# Altium PCB AirPi_Sensor_1.1.PcbDoc (continued)
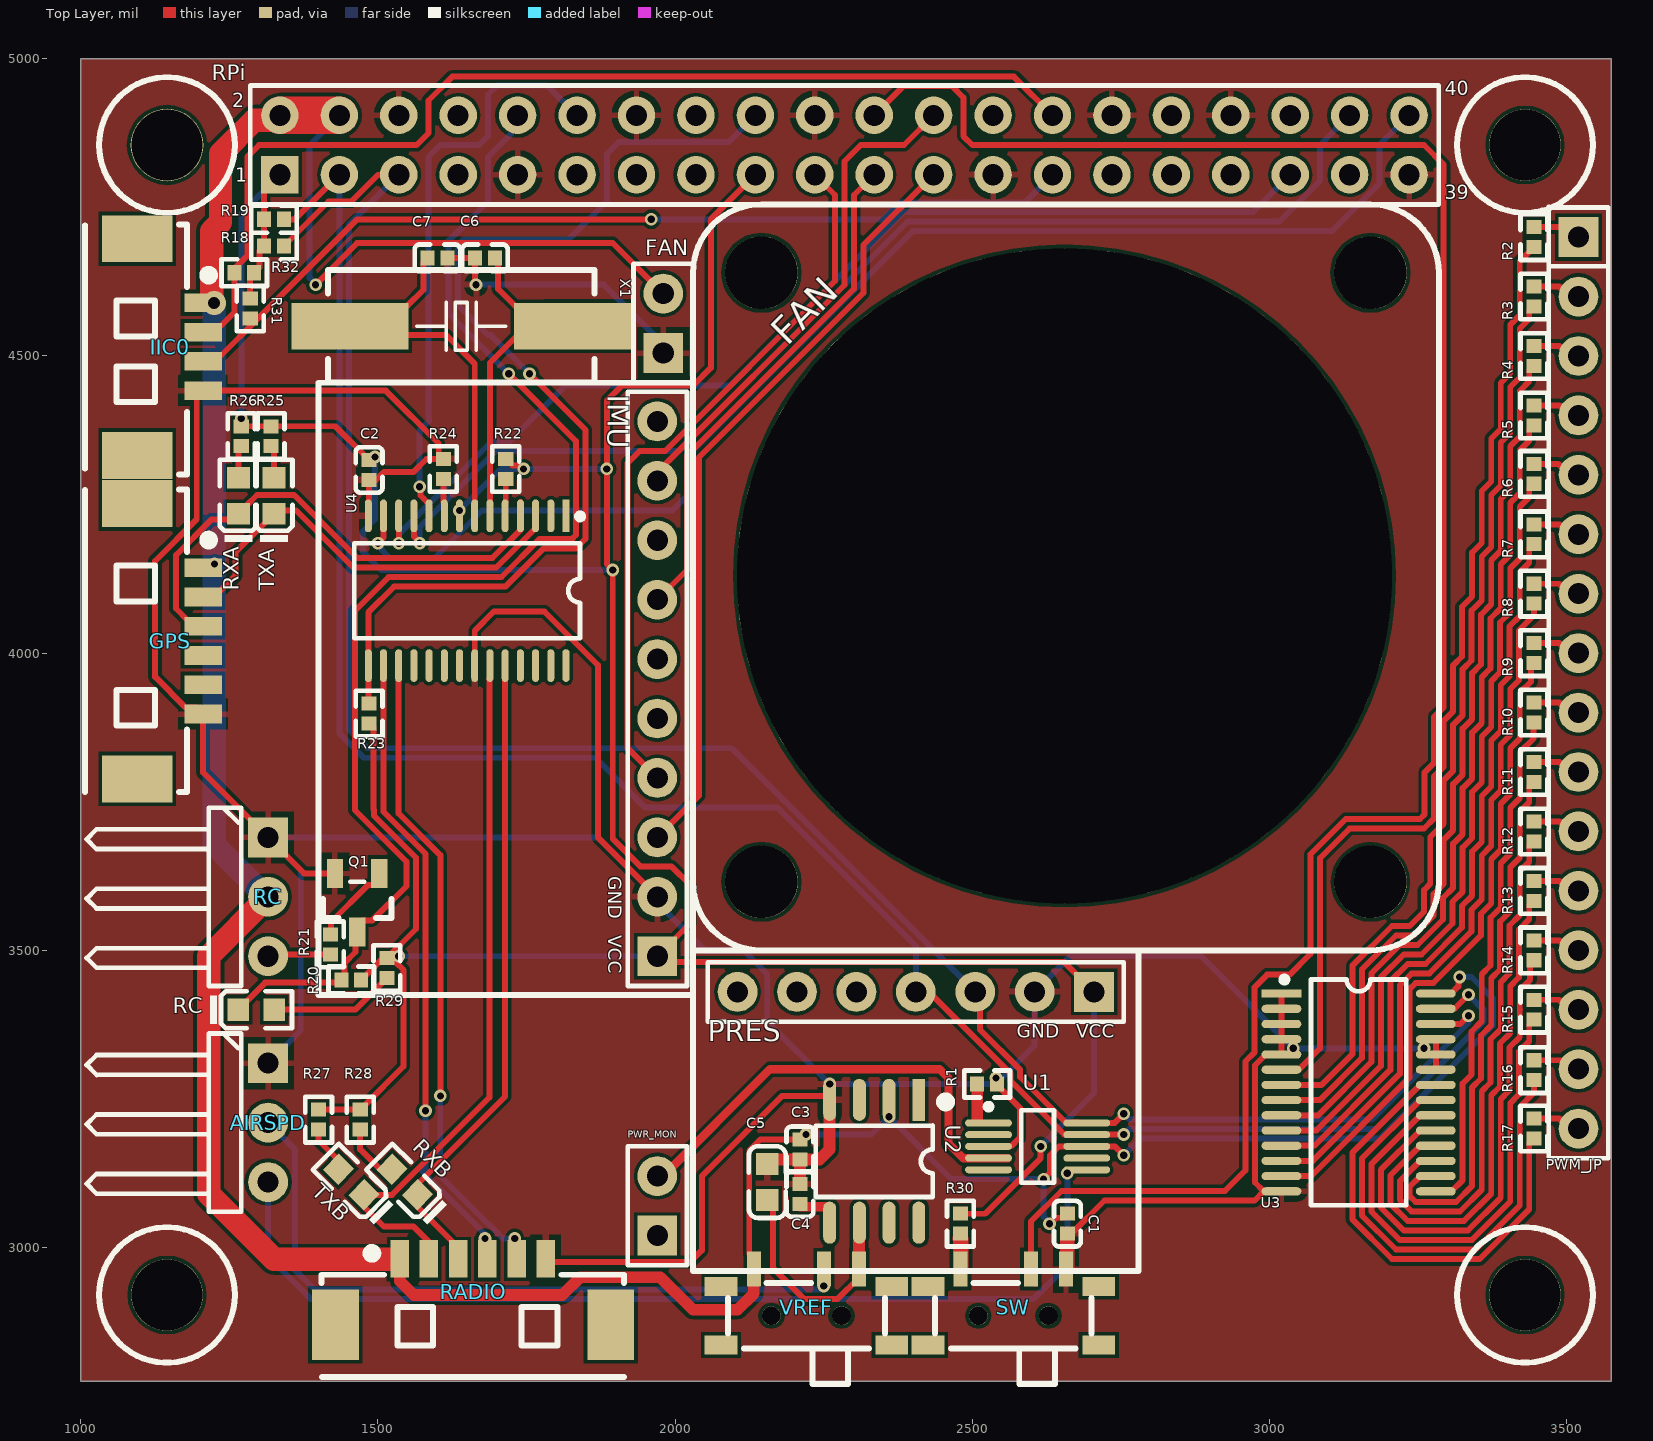
[diagram p0: Top Layer view]
## Part data (continued)
TXA TXB: library part "0603 蓝灯", "发光二极管", Package=0603, SuppliersPartNumber=C72041, ComponentLink1Description=供?, ComponentLink1URL=http://www.szlcsc.com/product/details_73150.html, Supplier=LC
U1: "16-Bit ADC with Integrated Multiplexer, PGA, Comparator, Oscillator, and Reference, -40 to 125 degC, 10-pin SOP (DGS10), Green (RoHS & no Sb/Br)", Analog Voltage AV/DD(Max)(V)=5.5, Analog Voltage AV/DD(Min)(V)=2, Manufacturer="Texas Instruments", Supplier Part Number 1=296-13060-2-ND, # Input Channels=4, Architecture=Delta-Sigma, Code_JEDEC=MO-153, ComponentLink1Description="Manufacturer URL", ComponentLink1URL=http://www.ti.com/, ComponentLink2Description=Datasheet, ComponentLink2URL=http://www.ti.com/general/docs/lit/getliterature.tsp?genericPartNumber=ADS1115&fileType=pdf, ComponentLink3Description="Package Specification", ComponentLink3URL=http://www.ti.com/lit/ml/mpds035b/mpds035b.pdf, DatasheetVersion=SBAS444B, Digital Supply(Max)(V)=5.5, Digital Supply(Min)(V)=2, Eco-Plan="Green (RoHS & no Sb/Br)", INL(Max)(+/-LSB)=1, Interface="Serial I2C", Mounting Technology="Surface Mount", PackageDescription="10-Pin Plastic Small Outline, Body 3 x 3 mm, Pitch 0.5 mm", PackageReference=DGS10, PackageVersion="4073272/C, 02/2004", PartNumber=ADS1115IDGSR, Resolution(Bits)=16, Sample Rate (max)(SPS)=860, SubFamily="Precision ADC (<=10MSPS)", Supplier 1=Digi-Key, Supplier 2=Digi-Key, Supplier 3=Digi-Key, Supplier 4=Newark, Supplier 5=Mouser, Supplier Part Number 2=296-13060-1-ND, Supplier Part Number 3=296-13060-6-ND, Supplier Part Number 4=74C7007, Supplier Part Number 5=595-ADS1253E/2K5
U2: "高精度电压基准"
U3: "16-channel, 12-bit PWM Fm+ I2C-bus LED controller"
X1: library part XTAL-2P, "2脚无源脚晶振"

## Free pads (board coordinates)
  round 1102.36 hole 1102.36: FAN0(2655,4130)
  round 122.05 hole 122.05: FAN1(2145,4640) FAN2(3170,4640) FAN3(3170,3615) FAN4(2145,3615)
  round 122.05 hole 120.08: FH0(1145,4855)
  round 120.08 hole 120.08: FH1(3430,4855) FH2(3430,2920) FH3(1145,2920)

## Via types
v1: diameter 21.26, hole 12.2, Top Layer to Bottom Layer, 38 vias
v2: diameter 40, hole 20, Top Layer to Bottom Layer, 1 vias

## Nets (pads, with @x,y where several pads share a name; then routed paths per layer and width w, separated by ;. In a path a pad name is that pad's centre, name@x,y a point inside that pad or via, vN(x,y) a via of type N, cw(c..) or ccw(c..) an arc to the next point about the centre after c; other vN are vias at no path point)
3V3: C2.1 IMU.1 PRES.1 R18.1 R19.1 R20.2 R22.1 R23.1 R25.1 R26.1 R27.1 R28.1 R29.1 R30.2 R31.2 R32.1 RPi.1 RPi.17 U4.8 | length 5988.4
  Top Layer w10: R26.1@1268.27,4380 R26.1 R25.1 1428.27,4381.73 1477.2,4332.8 1477.2,4331.81 1484.02,4325 C2.1 ; R31.2 1285,4633.27 R32.1 1300.47,4648.74 1300.47,4677.2 1301.46,4677.2 1308.27,4684.02 R18.1 R19.1 1308.27,4778.27 RPi.1 ; R27.1 R28.1 1470.98,3231.73 1477.8,3238.54 1477.8,3239.53 1543,3304.73 1543,3467 1530.08,3479.92 1521.81,3479.92 R29.1 ; R20.2 1471.73,3450.98 1478.54,3457.8 1479.37,3457.8 1508.3,3486.73 R29.1 ; R23.1 1485.98,3881.54 1492.8,3874.72 1492.8,3737.2 1493.25,3736.75 1493.25,3726.49 1564,3655.75 1564,3535.73 R29.1 ; R22.1 1715.98,4326.73 1726.64,4316.08 1735.87,4316.08 1741.95,4310 v1(1745,4310) ; RPi.17 2060,4730 2060,4480 2030,4450 1910,4450 1885,4425 v1(1885,4310) 1885,4150 v1(1895,4140) 1895,3687.63 1941.31,3641.31 1993.69,3641.31 2025,3610 2025,3545 IMU.1 1980,3480 2655,3480 PRES.1 ; R30.2 2521.73,3056.73 2615,3150 v1(2615,3170)
  Bottom Layer w10: v1(1270,4395) 1270,4740 RPi.1 ; v1(1495,4330) 1495,4225 1475,4205 1475,4170 1505,4140 v1(1895,4140) ; v1(1535,3490) IMU.1 ; v1(1637.01,4240) 1707.01,4310 v1(1745,4310) v1(1885,4310) ; v1(2615,3170) 2705,3260 PRES.1
5V: C1.1 C3.2 FAN.2 GPS.1 IIC0.1 RADIO.1 RC.2 RPi.2 RPi.4 U1.8 U2.2 U3.28 VREF.1 | length 6063.5
  Top Layer w10: IIC0.1 v2(1224.36,4589.36) ; RPi.2@1329.93,4899.93 RPi.2 ; v1(1395,4620) 1465,4690 1895,4690 FAN.2 ; VREF.1 2132.36,2981.3 2124.71,2988.95 2124.71,3163.18 2143.26,3181.73 C3.2 ; v1(2620,3115) 2631,3126 2631,3155.14 2645.86,3170 U1.8 2740,3170 v1(2755,3155) ; v1(2630,3040) 2631.57,3040 2641.49,3049.92 2653.19,3049.92 C1.1 ; U3.28 3305.55,3427.09 3317.85,3439.38 3317.85,3452.85 v1(3320,3455)
  Top Layer w19.68: RPi.2@1326.71,4896.71 RPi.2@1329.93,4899.93 ; RADIO.1 1536.43,2943.57 1560,2920 1810,2920 1840,2950 1975,2950 2030,2895 2105,2895 2132.36,2922.36 VREF.1
  Top Layer w39.37: IIC0.1@1220,4595 1220,4710 1235,4725 1235,4840 1291.71,4896.71 RPi.2@1326.71,4896.71 ; RC.2 1215,3490 1215,3090 1325,2980 RADIO.1@1530,2980
  Top Layer w62.99: RPi.2 RPi.4
  Bottom Layer w10: v1(1395,4620) 1395,4621.49 1385,4631.49 1385,4855 RPi.4 ; v1(2220,3190) 2330,3190 v1(2360,3220) 2465,3115 v1(2620,3115) 2620,3051.49 2630,3041.49 v1(2630,3040) ; v1(2755,3155) 2783,3183 3185.63,3183 3376,3373.37 3376,3419 3340,3455 v1(3320,3455)
  Bottom Layer w39.37: v2(1224.36,4589.36) 1224.36,3677.38 1311.75,3590 RC.2
  other v1: 1225,4150
CSN: RPi.12 U4.10 | length 979.8
  Top Layer w10: v1(1570,4280) 1571.61,4278.39 1571.61,4265.36 1577.34,4259.64 1577.34,4259.4 1583.76,4252.98 1585.19,4252.98 1586.02,4252.14 U4.10
  Bottom Layer w10: v1(1570,4280) 1570,4375 1585.86,4390.86 1585.86,4399.14 1585,4400 1585,4835 1605,4855 1670,4855 1685,4870 1685,4940 1700,4955 1785,4955 RPi.12
CTSB: RADIO.4 U4.16 | length 1038.9
  Top Layer w10: U4.16 1509.25,3733.12 1580,3662.37 v1(1580,3230)
  Bottom Layer w10: v1(1580,3230) 1580,3132.37 1575,3127.37 1680,3022.37 v1(1680,3015)
GND: AIRSPD.1 C1.2 C2.2 C3.1 C4.2 C5.1 C6.1 C7.1 FAN.1 GPS.6 IIC0.4 IMU.2 PRES.2 Q1.2 R1.2 R24.1 RADIO.6 RC.1 RPi.6 RPi.9 RPi.14 RPi.20 RPi.25 RPi.30 RPi.34 RPi.39 SW.3 U1.3 U2.4 U3.1 U3.2 U3.3 U3.4 U3.5 U3.14 U3.23 U3.24 U3.25 U4.14 U4.22 | length 7694.1
  Top Layer w10: Q1.2 1375.79,3629.21 RC.1 1205.65,3799.35 GPS.6 1194.91,3908.26 1176.74,3908.26 1125,3960 1125,4155 1195,4225 1195,4431.07 IIC0.4 1513.28,4441.72 1602.2,4352.8 1602.2,4333.54 R24.1@1609.02,4326.73 ; U4.14 1483.66,4253.12 1485,4254.46 C2.2 1496.54,4291.54 1510,4305 1560,4305 1581.73,4326.73 R24.1@1609.02,4326.73 ; R24.1 R24.1@1609.02,4326.73 ; C7.1 C6.1 1663.27,4621.73 v1(1665,4620) ; U4.22 1662.8,4037.8 1695,4070 1780,4070 1870,3980 1870,3690 IMU.2 ; RADIO.6 1787.61,2975.54 2025.54,2975.54 2045,2995 2045,3120 2180,3255 2254.62,3255 2260,3249.62 U2.4 ; C5.1 C5.1@2162.95,3148.27 ; U1.3 2527.67,3170.35 2565.36,3170.35 2580,3184.99 2580,3235 2548.54,3266.46 2548.54,3268.19 R1.2 ; SW.3 SW.3@2660,2965.95 ; C1.2 2666.7,3023.27 2722.43,3079 2975,3079 2990.41,3094.41 U3.14 3019.43,3095.13 2989.87,3095.13 2975.69,3109.31 2975.69,3306.54 2993.87,3324.72 U3.5 U3.4 U3.3 U3.2 U3.1 ; U3.23 U3.24 U3.25
  Top Layer w20: C5.1@2162.95,3148.27 C3.1 ; C4.2 C3.1 ; U2.4 2260,3165 2243.27,3148.27 C3.1 ; U2.4@2260,3249.62 v1(2260,3275)
  Top Layer w24: SW.3@2660,2965.95 C1.2
  Bottom Layer w10: AIRSPD.1 1370,3365 1370,3635 RC.1 1870,3690 IMU.2 1970,3580 2050,3500 2115,3500 2155,3460 2155,3380 v1(2260,3275) 2530,3275 v1(2540,3285) 2550,3285 2605,3340 PRES.2 2665,3490 2885,3490 v1(3040,3335) v1(3260,3335) ; v1(1665,4620) 1880,4620 1965,4535 1965,4520 FAN.1
GPCLK0_BCM4: RPi.7
GPCLK1_BCM5: RPi.29
GPCLK2_BCM6: RPi.31
I_airspeed: AIRSPD.3 U1.6 | length 1678.1
  Bottom Layer w10: AIRSPD.3 1315,2985 1386.63,2913.37 2603.37,2913.37 2660,2970 v1(2660,3125)
I_batt: PWR_MON.2 U1.4 | length 791.1
  Top Layer w14: PWR_MON.2 1980,3120 2160,3300 2445,3300 2460,3285 2460,3175 2485,3150 U1.4@2560,3150
IIC0SCL_BCM1: IIC0.2 R32.2 RPi.28 | length 1807.1
  Top Layer w10: IIC0.2 1216.4,4550.9 1235.9,4550.9 1258.27,4573.27 R32.2 1258.27,4646.7 1280,4668.43 1280,4835 1300,4855 1565,4855 1585,4875 1585,4930 1625,4970 2570,4970 RPi.28
IIC0SDA_BCM0: IIC0.3 R31.1 RPi.27 | length 1555.9
  Top Layer w10: IIC0.3 1216.4,4501.69 1236.68,4501.69 R31.1@1295.77,4560.77 ; 1298.27,4563.27 1465,4730 v1(1960,4730)
  Bottom Layer w10: v1(1960,4730) 2349.75,4730 2377.75,4758 2588,4758 RPi.27
IIC1SCL_BCM3: PRES.3 R18.2 RPi.5 U1.10 U3.26 | length 3549.3
  Top Layer w10: R18.2 1416.73,4760 1455,4760 1500,4805 RPi.5 ; PRES.3@2512.79,3422.21 2512.79,3366.73 2580.54,3298.98 2580.54,3286.76 2657.1,3210.21 2677.63,3210.21 2678.47,3209.37 U1.10 2693.02,3209.72 2739.72,3209.72 v1(2755,3225) ; U3.26 3320.91,3375.91 v1(3335,3390)
  Bottom Layer w10: RPi.5 1451,4721 1451,3871.63 1482.63,3840 2095,3840 PRES.3 ; v1(2755,3225) 2765,3215 3172.37,3215 3335,3377.63 v1(3335,3390)
IIC1SDA_BCM2: PRES.4 R19.2 RPi.3 U1.9 U3.27 | length 3498.6
  Top Layer w10: R19.2 1360,4730 RPi.3 ; PRES.4@2426.9,3430 2564.54,3292.35 2564.54,3280.13 2654.64,3190.03 2692.33,3190.03 U1.9 2692.99,3190 v1(2755,3190) ; U3.27 3280.72,3402.22 3312.22,3402.22 v1(3335,3425)
  Bottom Layer w10: RPi.3 1435,3865 1476,3824 1866,3824 1950,3740 2172.37,3740 2405,3507.37 PRES.4 ; v1(2755,3190) 2764,3199 3179,3199 3360,3380 3360,3400 v1(3335,3425)
IRQ: R23.2 RPi.18 U4.15 | length 1794.8
  Top Layer w10: R23.2 1483.66,3916.34 U4.15 1483.66,4068.66 1527,4112 1714.37,4112 1778.79,4176.42 1833.43,4176.42 1849.24,4192.24 1849.24,4375.76 v1(1755,4470)
  Bottom Layer w10: v1(1755,4470) 1690,4535 1685,4535 1635,4585 1635,4687.37 1643.81,4696.19 1821.19,4696.19 1885,4760 1885,4840 1905,4860 2090,4860 RPi.18
MISO: RPi.35 U4.12 | length 1811.6
  Top Layer w10: U4.12 1535,4230.82 v1(1535,4185)
  Bottom Layer w10: v1(1535,4185) 1535,4200 1691,4356 1721,4356 1815,4450 2092.37,4450 2384.37,4742 2972,4742 RPi.35
MOSI: RPi.38 U4.11 | length 1964.4
  Top Layer w10: U4.11 1560.43,4196.49 1570,4186.92 v1(1570,4185)
  Bottom Layer w10: v1(1570,4185) 1570,4212.37 1697.63,4340 2005,4340 2391,4726 3016.1,4726 3085,4794.9 3085,4855 RPi.38
NetC4_1: C4.1 U2.5 | length 50
  Top Layer w16: C4.1@2210,3068.27 U2.5@2260,3068.27
NetC5_2: C5.2 U2.6 VREF.3 | length 392.1
  Top Layer w10: C5.2 2165,3069.69 2165,2965 2216.63,2913.37 2273.46,2913.37 2309.53,2949.44 VREF.3 ; U2.6@2309.53,3041.18 U2.6
  Top Layer w20: VREF.3 U2.6@2309.53,3041.18
NetC6_2: C6.2 U4.6 X1.1 | length 635.1
  Top Layer w10: U4.6 1688.39,4488.39 1735.63,4535.63 1778.5,4535.63 X1.1@1802.87,4560 ; C6.2 1702,4659.73 1702,4613 1730.63,4584.37 1778.5,4584.37 X1.1@1802.87,4560 ; X1.1 1812.87,4550 X1.1@1802.87,4560 ; X1.1@1827.01,4570 1812.87,4570 X1.1@1802.87,4560
NetC7_2: C7.2 U4.7 X1.2 | length 705.6
  Top Layer w10: X1.2 1482.41,4550 X1.2@1484.77,4552.36 ; X1.2@1452.99,4570 1467.14,4570 1470.07,4567.07 X1.2@1484.77,4552.36 ; C7.2 1583.27,4664.02 1576.46,4657.2 1576.46,4611.46 1549.37,4584.37 1516.78,4584.37 X1.2@1484.77,4552.36 ; U4.7 1662.8,4487.2 1614.37,4535.63 1501.51,4535.63 X1.2@1484.77,4552.36
NetD1_A: R25.2 TXA.A | length 62.1
  Top Layer w10: R25.2 1325,4343.27 TXA.A TXA.A@1330,4300.32
NetD2_A: R26.2 RXA.A | length 55
  Top Layer w10: RXA.A 1265,4343.27 R26.2
NetD3_A: R27.2 TXB.A | length 80.7
  Top Layer w10: R27.2 1400,3180 1433.56,3146.44 TXB.A
NetD4_A: R28.2 RXB.A | length 100.7
  Top Layer w10: R28.2 1470,3165 1503.56,3131.44 RXB.A
NetD5_A: R29.2 RC.A | length 212.4
  Top Layer w10: RC.A 1461.89,3400 1507.2,3445.31 1507.2,3446.46 1514.02,3453.27 R29.2
NetJP_AIRSPD_2: AIRSPD.2 VREF.2 | length 1199.8
  Top Layer w10: AIRSPD.2@1310,3205 AIRSPD.2@1320,3205 ; VREF.2@2250.47,2945.87 VREF.2
  Bottom Layer w10: AIRSPD.2 1360,3165 1360,2962.63 1393.26,2929.37 2244.37,2929.37 v1(2250,2935)
NetJP_PWR_MON_1: PWR_MON.1
NetJP_RC_3: R21.1 RC.3 | length 106.4
  Top Layer w10: RC.3 1318.27,3493.27 R21.1
NetQ1_1: Q1.1 R21.2 | length 143
  Top Layer w10: R21.2 1420.87,3527.61 1420.87,3547.69 1482.8,3609.61 1493.62,3609.61 1502.4,3618.39 Q1.1
NetR1_1: R1.1 U1.1 | length 60
  Top Layer w20: U1.1@2508.27,3215 R1.1
NetR2_2: R2.2 U3.6 | length 1620.7
  Top Layer w10: U3.6@3050,3300 3085,3335 3085,3655 3135,3705 3260,3705 3277.2,3722.2 3277.2,3792.75 3293.2,3808.75 3293.2,3886.12 3309.2,3902.12 3309.2,3979.49 3324,3994.29 3324,4078.1 3341.2,4095.31 3341.2,4169.34 3357.2,4185.34 3357.2,4272.71 3373.2,4288.71 3373.2,4361.09 3389.2,4377.09 3389.2,4454.46 3405.2,4470.46 3405.2,4552.83 3421.2,4568.83 3421.2,4659.47 3437.2,4675.47 3437.2,4676.46 3444.02,4683.27 R2.2
NetR3_2: R3.2 U3.7 | length 1543.3
  Top Layer w10: U3.7 3087.78,3273.54 3139.54,3325.3 3139.54,3474.26 3206.25,3540.98 3235.98,3540.98 3260,3565 3260,3601.27 3270.58,3611.85 3270.58,3690.58 3293.2,3713.2 3293.2,3786.12 3309.2,3802.12 3309.2,3879.49 3325.2,3895.49 3325.2,3972.86 3340,3987.66 3340,4071.48 3357.2,4088.68 3357.2,4162.71 3373.2,4178.71 3373.2,4266.09 3389.2,4282.09 3389.2,4354.46 3405.2,4370.46 3405.2,4447.83 3421.2,4463.83 3421.2,4546.2 3437.2,4562.2 3437.2,4576.46 3444.02,4583.27 R3.2
NetR4_2: R4.2 U3.8 | length 1467.2
  Top Layer w10: U3.8 3084.82,3247.95 3155.54,3318.67 3155.54,3467.63 3212.88,3524.98 3242.6,3524.98 3276,3558.37 3276,3594.65 3293.2,3611.85 3293.2,3686.12 3309.2,3702.12 3309.2,3779.49 3325.2,3795.49 3325.2,3872.86 3341.2,3888.86 3341.2,3966.24 3356,3981.03 3356,4064.85 3373.2,4082.05 3373.2,4156.09 3389.2,4172.09 3389.2,4259.46 3405.2,4275.46 3405.2,4347.83 3421.2,4363.83 3421.2,4441.2 3437.2,4457.2 3437.2,4476.46 3444.02,4483.27 R4.2
NetR5_2: R5.2 U3.9 | length 1391
  Top Layer w10: U3.9 3081.85,3222.36 3171.54,3312.05 3171.54,3461.01 3219.51,3508.98 3249.23,3508.98 3292,3551.75 3292,3588.02 3309.2,3605.22 3309.2,3679.49 3325.2,3695.49 3325.2,3772.86 3341.2,3788.86 3341.2,3866.24 3357.2,3882.24 3357.2,3959.61 3372,3974.4 3372,4058.22 3389.2,4075.43 3389.2,4149.46 3405.2,4165.46 3405.2,4252.83 3421.2,4268.83 3421.2,4341.2 3437.2,4357.2 3437.2,4376.46 3444.02,4383.27 R5.2
NetR6_2: R6.2 U3.10 | length 1316.6
  Top Layer w10: U3.10 3078.89,3196.77 3187.54,3305.42 3187.54,3454.38 3226.13,3492.98 3255.86,3492.98 3308,3545.12 3308,3581.39 3325.2,3598.6 3325.2,3672.86 3341.2,3688.86 3341.2,3766.24 3357.2,3782.24 3357.2,3859.61 3373.2,3875.61 3373.2,3952.98 3388,3967.78 3388,4051.59 3405.2,4068.8 3405.2,4142.83 3421.2,4158.83 3421.2,4246.2 3437.2,4262.2 3437.2,4278.19 3444.02,4285 R6.2
NetR7_2: R7.2 U3.11 | length 1238.7
  Top Layer w10: U3.11 3075.93,3171.18 3203.54,3298.79 3203.54,3447.75 3232.76,3476.98 3262.49,3476.98 3324,3538.49 3324,3574.76 3341.2,3591.97 3341.2,3666.24 3357.2,3682.24 3357.2,3759.61 3373.2,3775.61 3373.2,3852.98 3389.2,3868.98 3389.2,3946.35 3404,3961.15 3404,4044.97 3421.2,4062.17 3421.2,4136.2 3437.2,4152.2 3437.2,4176.46 3444.02,4183.27 R7.2
NetR8_2: R8.2 U3.12 | length 1162
  Top Layer w10: U3.12 3072.96,3145.59 3219.54,3292.16 3219.54,3441.12 3239.39,3460.98 3269.11,3460.98 3340,3531.86 3340,3568.14 3357.2,3585.34 3357.2,3659.61 3373.2,3675.61 3373.2,3752.98 3389.2,3768.98 3389.2,3846.35 3405.2,3862.35 3405.2,3939.73 3420,3954.52 3420,4038.34 3445,4063.34 R8.2
NetR9_2: R9.2 U3.13 | length 1080.5
  Top Layer w10: U3.13 3070,3120 3235.54,3285.54 3235.54,3434.5 3246.02,3444.98 3275.74,3444.98 3356,3525.24 3356,3561.51 3373.2,3578.71 3373.2,3652.98 3389.2,3668.98 3389.2,3746.35 3405.2,3762.35 3405.2,3839.73 3421.2,3855.73 3421.2,3933.1 3440,3951.89 R9.2@3440,3980
NetR10_2: R10.2 U3.15 | length 872.6
  Top Layer w10: U3.15 3306.28,3094.41 3325.2,3113.33 3325.2,3275.97 3340,3290.76 3340,3363.3 3357.2,3380.5 3357.2,3459.61 3372,3474.4 3372,3554.88 3389.2,3572.09 3389.2,3646.35 3405.2,3662.35 3405.2,3739.73 3421.2,3755.73 3421.2,3833.1 3444.56,3856.46 3444.56,3882.83 R10.2
NetR11_2: R11.2 U3.16 | length 910.9
  Top Layer w10: U3.16 3253.72,3120 3235.54,3101.82 3235.54,3087 3246.02,3076.52 3278.48,3076.52 3313.98,3076.52 3341.2,3103.74 3341.2,3269.34 3356,3284.14 3356,3356.67 3373.2,3373.88 3373.2,3452.98 3388,3467.78 3388,3548.25 3405.2,3565.46 3405.2,3639.73 3421.2,3655.73 3421.2,3699.64 3421.57,3700 3421.2,3700.36 3421.2,3733.1 3437.2,3749.1 3437.2,3775.47 R11.2
NetR12_2: R12.2 U3.17 | length 889.8
  Top Layer w10: U3.17 3253.72,3145.59 3219.54,3111.41 3219.54,3080.37 3239.39,3060.52 3320.61,3060.52 3357.2,3097.11 3357.2,3262.71 3372,3277.51 3372,3350.04 3389.2,3367.25 3389.2,3446.35 3404,3461.15 3404,3541.63 3421.2,3558.83 3421.2,3633.1 3437.2,3649.1 3437.2,3676.46 3444.02,3683.27 R12.2
NetR13_2: R13.2 U3.18 | length 868.4
  Top Layer w10: U3.18 3253.72,3171.18 3203.54,3121 3203.54,3073.74 3232.76,3044.52 3327.24,3044.52 3373.2,3090.48 3373.2,3256.09 3388,3270.88 3388,3343.42 3405.2,3360.62 3405.2,3439.73 3420,3454.52 3420,3535 3437.2,3552.2 3437.2,3576.46 3444.02,3583.27 R13.2
NetR14_2: R14.2 U3.19 | length 846.8
  Top Layer w10: U3.19 3253.72,3196.77 3187.54,3130.59 3187.54,3067.12 3226.13,3028.52 3333.87,3028.52 3389.2,3083.86 3389.2,3249.46 3404,3264.25 3404,3336.79 3421.02,3353.81 3421.18,3353.81 ; 3421.2,3353.83 3421.2,3399.63 3421.57,3400 3421.2,3400.36 3421.2,3433.1 3438.72,3450.62 3438.72,3476.99 R14.2
NetR15_2: R15.2 U3.20 | length 825.7
  Top Layer w10: U3.20 3253.72,3222.36 3171.54,3140.18 3171.54,3060.49 3219.51,3012.52 3340.49,3012.52 3405.2,3077.23 3405.2,3242.83 3420,3257.63 3420,3330.16 3427.65,3337.81 3427.81,3337.81 3437.2,3347.2 3437.2,3375.47 3441.46,3379.72 3441.46,3380.71 3444.02,3383.27 R15.2
NetR16_2: R16.2 U3.21 | length 802.2
  Top Layer w10: U3.21 3253.72,3247.95 3155.54,3149.77 3155.54,3053.86 3212.88,2996.52 3347.12,2996.52 3421.2,3070.6 3421.2,3199.63 3421.57,3200 3421.2,3200.36 3421.2,3236.2 3445,3260 R16.2
NetR17_2: R17.2 U3.22 | length 782.3
  Top Layer w10: U3.22 3253.72,3273.54 3139.54,3159.36 3139.54,3047.23 3206.25,2980.52 3353.75,2980.52 3437.2,3063.98 3437.2,3175.47 R17.2
NetR22_2: R22.2 U4.5 | length 62.7
  Top Layer w10: U4.5 1713.98,4253.12 1715,4254.15 R22.2
NetR24_2: R24.2 U4.9 | length 63
  Top Layer w10: R24.2 1610,4254.74 1611.61,4253.12 U4.9
NetR30_1: R30.1 SW.1 | length 59.9
  Top Layer w10: R30.1@2480,3015 R30.1
  Top Layer w26: R30.1@2480,3015 2480.47,3014.53 SW.1
NetU1_5: U1.5
NetU1_7: U1.7
PWM0: PWM_JP.1 R2.1 | length 81.9
  Top Layer w10: R2.1 3503.27,4716.73 PWM_JP.1
PWM0_BCM12: RPi.32
PWM1: PWM_JP.2 R3.1 | length 81.9
  Top Layer w10: R3.1 3487.86,4616.73 3504.6,4600 PWM_JP.2
PWM1_BCM13: RPi.33
PWM2: PWM_JP.3 R4.1 | length 81.9
  Top Layer w10: R4.1 3487.86,4516.73 3504.6,4500 PWM_JP.3
PWM3: PWM_JP.4 R5.1 | length 81.9
  Top Layer w10: R5.1 3487.86,4416.73 3504.6,4400 PWM_JP.4
PWM4: PWM_JP.5 R6.1 | length 82.6
  Top Layer w10: R6.1 3486.13,4318.46 3504.6,4300 PWM_JP.5
PWM5: PWM_JP.6 R7.1 | length 81.9
  Top Layer w10: R7.1 3487.86,4216.73 3504.6,4200 PWM_JP.6
PWM6: PWM_JP.7 R8.1 | length 81.9
  Top Layer w10: R8.1 3487.86,4116.73 3504.6,4100 PWM_JP.7
PWM7: PWM_JP.8 R9.1 | length 81.9
  Top Layer w10: R9.1 3487.86,4016.73 3504.6,4000 PWM_JP.8
PWM8: PWM_JP.9 R10.1 | length 81.9
  Top Layer w10: R10.1 3487.86,3916.73 3504.6,3900 PWM_JP.9
PWM9: PWM_JP.10 R11.1 | length 81.9
  Top Layer w10: R11.1 3487.86,3816.73 3504.6,3800 PWM_JP.10
PWM10: PWM_JP.11 R12.1 | length 81.9
  Top Layer w10: R12.1 3487.86,3716.73 3504.6,3700 PWM_JP.11
PWM11: PWM_JP.12 R13.1 | length 81.9
  Top Layer w10: R13.1 3487.86,3616.73 3504.6,3600 PWM_JP.12
PWM12: PWM_JP.13 R14.1 | length 81.9
  Top Layer w10: R14.1 3487.86,3516.73 3504.6,3500 PWM_JP.13
PWM13: PWM_JP.14 R15.1 | length 81.9
  Top Layer w10: R15.1 3487.86,3416.73 3504.6,3400 PWM_JP.14
PWM14: PWM_JP.15 R16.1 | length 81.2
  Top Layer w10: R16.1 3489.6,3315 3504.6,3300 PWM_JP.15
PWM15: PWM_JP.16 R17.1 | length 81.9
  Top Layer w10: R17.1 3487.86,3216.73 3504.6,3200 PWM_JP.16
RTSB: RADIO.5 U4.17 | length 1057
  Top Layer w10: U4.17 1534.84,3730.16 1605,3660 v1(1605,3255)
  Bottom Layer w10: v1@1604.76,3255 1604.76,3120.24 1688.37,3036.63 1688.96,3036.63 1701.63,3023.96 1701.63,3023.37 1710,3015 v1(1730,3015)
RXA: GPS.3 RXA.K U4.4 | length 881.2
  Top Layer w10: GPS.3 1196.83,4053.98 1181.02,4053.98 1160,4075 1160,4165 1220,4225 1255.32,4225 RXA.K 1265.98,4234.69 1279.29,4247.99 1279.29,4248.98 1296.32,4266.01 1358.99,4266.01 1465,4160 1692.39,4160 1740,4207.61 1739.91,4207.7 1739.91,4230.63 U4.4 U4.4@1739.57,4254.57
RXB: RADIO.3 RXB.K U4.24 | length 1087.8
  Top Layer w10: RADIO.3 1628.71,2986.8 1628.71,3006.29 1566.44,3068.56 RXB.K 1566.44,3106.44 1713.98,3253.98 U4.24
RXD_BCM15: Q1.3 R20.1 RC.K RPi.10 | length 2173.2
  Top Layer w10: RC.K 1264.69,3400.98 1277.99,3414.29 1278.98,3414.29 1310.22,3445.54 R20.1@1438.27,3445.54 ; R20.1 1443.8,3455.53 1443.8,3478.8 1462.04,3497.04 1462.04,3527.83 Q1.3 1465,3541.61 1473.78,3550.39 1490.39,3550.39 1548,3608 1548,3649.12 1461.2,3735.91 1461.2,4071.2 1518,4128 1707.74,4128 1772.16,4192.42 1805.88,4192.42 1826.8,4192.42 1833.24,4198.87 1833.24,4356.76 v1(1720,4470)
  Bottom Layer w10: v1(1720,4470) 1619,4571 1619,4694 1685,4760 1685,4835 1724.86,4874.86 1724.86,4894.86 RPi.10
SCLK: RPi.40 U4.13 | length 2182.8
  Top Layer w10: v1(1500,4185) 1509.25,4194.25 U4.13
  Bottom Layer w10: v1(1500,4185) 1500,4181.95 1505.62,4176.33 1505.62,4174.38 1520,4160 1595,4160 1675,4240 1995,4240 2020,4265 2020,4330 2400,4710 3105,4710 3185,4790 3185,4855 RPi.40
SDIOCLK_BCM22: RPi.15
SDIOCMD_BCM23: RPi.16
SDIODAT1_BCM25: RPi.22 SW.2 | length 3501.7
  Top Layer w10: RPi.22 2384,4954 2466,4954 2485,4935 2485,4870 2500,4855 3260,4855 3293.2,4821.8 3293.2,3908.75 3277.2,3892.75 3277.2,3815.37 3261.2,3799.37 3261.2,3728.83 3253.37,3721 3128.37,3721 3069,3661.63 3069,3494 3034,3459 2996.16,3459 2975,3437.84 2975,3328.48 2959.69,3313.17 2959.69,3129.69 2925,3095 2650,3095 2598.58,3043.58 SW.2 2598.58,2945.87 2605.39,2939.06 SW.2@2605.94,2939.06
SDIODAT2_BCM26: RPi.37
SDIODAT3_BCM27: RPi.13
SPI0CE0_BCM8: IMU.9 RPi.24 | length 855.9
  Top Layer w10: IMU.9 1980,4290 1980,4314.49 2285,4619.49 2285,4827.5 2312.5,4855 2385,4855 RPi.24
SPI0CE1_BCM7: RPi.26
SPI0MISO_BCM9: IMU.7 RPi.21 | length 866.2
  Top Layer w10: IMU.7 2020,4140 2020,4331.86 2301,4612.86 2301,4771 RPi.21
SPI0MOSI_BCM10: IMU.4 RPi.19 | length 1219.5
  Top Layer w10: IMU.4 1920,3840 1920,4320 1940,4340 1982.88,4340 2269,4626.12 2269,4771 RPi.19
SPI0SCLK_BCM11: IMU.3 RPi.23 | length 1307.6
  Top Layer w10: IMU.3 2040,3760 2040,4329.24 2317,4606.24 2317,4687 RPi.23
SPI1CE1_BCM17: RPi.11
SPI1CE2_BCM16: RPi.36
TXA: GPS.2 TXA.K U4.3 | length 739.3
  Top Layer w10: GPS.2@1215.02,4085 GPS.2 1207.58,4096.29 1226.29,4096.29 1260,4130 1260,4169.69 TXA.K ; TXA.K@1331.97,4230 1341.97,4240 1362.37,4240 1458.37,4144 1699.01,4144 1765.16,4210.14 U4.3
TXB: RADIO.2 TXB.K U4.23 | length 1189.2
  Top Layer w10: TXB.K TXB.K@1477.03,3089.15 ; RADIO.2 1585.64,3009.36 1560,3035 1510,3035 1477.03,3067.97 TXB.K@1477.03,3089.15 ; U4.23 1688.39,3957.85 1687.55,3957.01 1687.55,3252.55 1523.56,3088.56 1496.65,3088.56 1495.95,3089.26 1477.13,3089.26 TXB.K@1477.03,3089.15
TXD_BCM14: RPi.8
pads on no net: "SW. " "VREF. " GPS.0 GPS.4 GPS.5 IIC0.0 IMU.5 IMU.6 IMU.8 IMU.10 PRES.5 PRES.6 PRES.7 RADIO.0 SW.0 U1.2 U2.1 U2.3 U2.7 U2.8 U4.1 U4.2 U4.18 U4.19 U4.20 U4.21 U4.25 U4.26 U4.27 U4.28 VREF.0
copper on no net: | length 84.6
  Bottom Layer w10: 3380.72,4855 3430,4855 3405,4830

## Polygon pours and split planes (outlines as drawn)
GND on Bottom Layer "Bottom Layer-GND" (solid, pour order 8): 1000,5000 3575,5000 3575,2775 1000,2775
GND on Top Layer "Top Layer-GND" (solid, pour order 10): 1000,5000 3575,5000 3575,2775 1000,2775

## Silkscreen, mask and mechanical layers (free items; w line width, h text height)
Top Overlay:
  circle w10: c3430,4855 r114.13
  circle w10: c1145,2920 r114.13
  circle w10: c1145,4855 r114.13
  circle w10: c3430,2920 r114.13
  lines w10: 3470,4748.11 3470,4750 ; 1400,3425 1400,4455 2030,4455 2030,3425 1400,3425 ; 2030,2960 2780,2960 2780,3500 2030,3500 2030,2960 ; 2030,3615 ccw(c2145,3615) 2145,3500 3170,3500 ccw(c3170,3615) 3285,3615 3285,4640 ccw(c3170,4640) 3170,4755 2655,4755 2145,4755 ccw(c2145,4640) 2030,4640 2030,3615
  text "FAN" at 2200,4505 h78.74 r45
  text "GND" at 1880,3625 h39.37 r270
  text "VCC" at 1880,3525 h39.37 r270
  text "GND" at 2575,3345 h39.37
  text "VCC" at 2675,3345 h39.37
Bottom Overlay:
  text "5V" at 1105,4575 h39.37
  text "SCL" at 1130,4525 h39.37
  text "SDA" at 1135,4480 h39.37
  text "GND" at 1140,4430 h39.37
  text "5V" at 1100,4135 h39.37
  text "TX" at 1105,4085 h39.37
  text "RX" at 1105,4035 h39.37
  text "GND" at 1135,3885 h39.37
  text "AirPi_Sensor_1.1" at 3340,3720 h120 r270
  text "GND" at 1080,3650 h39.37 r270
  text "5V" at 1080,3570 h39.37 r270
  text "SBUS" at 1025,3515 h60 r270
  text "GND" at 1080,3270 h39.37 r270
  text "Vdd" at 1080,3175 h39.37 r270
  text "Ain" at 1080,3080 h39.37 r270
  text "5V" at 1525,2840 h39.37 r270
  text "TX" at 1575,2840 h39.37 r270
  text "RX" at 1625,2840 h39.37 r270
  text "CTS" at 1675,2840 h39.37 r270
  text "RTS" at 1720,2840 h39.37 r270
  text "GND" at 1770,2840 h39.37 r270
  text "Off" at 2130,2795 h39.37
  text "On" at 2355,2795 h39.37
  text "1" at 2490,2795 h39.37
  text "0" at 2660,2795 h39.37
Mechanical 1:
  lines w10: 3445,4995 cw(c3445,4870) 3570,4870 3570,2905 cw(c3445,2905) 3445,2780 1130,2780 cw(c1130,2905) 1005,2905 1005,4870 cw(c1130,4870) 1130,4995 3450,4995
Mechanical 13:
  lines w10: 1005,2905 ccw(c1130,2905) 1130,2780 3445,2780 ccw(c3445,2905) 3570,2905 3570,4870 ccw(c3445,4870) 3445,4995 1130,4995 ccw(c1130,4870) 1005,4870 1005,2905

## Text inside footprints (layer, text, board x,y; h text height)
RPi: Top Overlay "39" at 3295,4755 h40; Top Overlay "40" at 3295,4930 h40; Top Overlay "2" at 1255,4910 h40; Top Overlay "1" at 1260,4785 h40